# Allegro board rt1064_som_wifi.brd (continued)
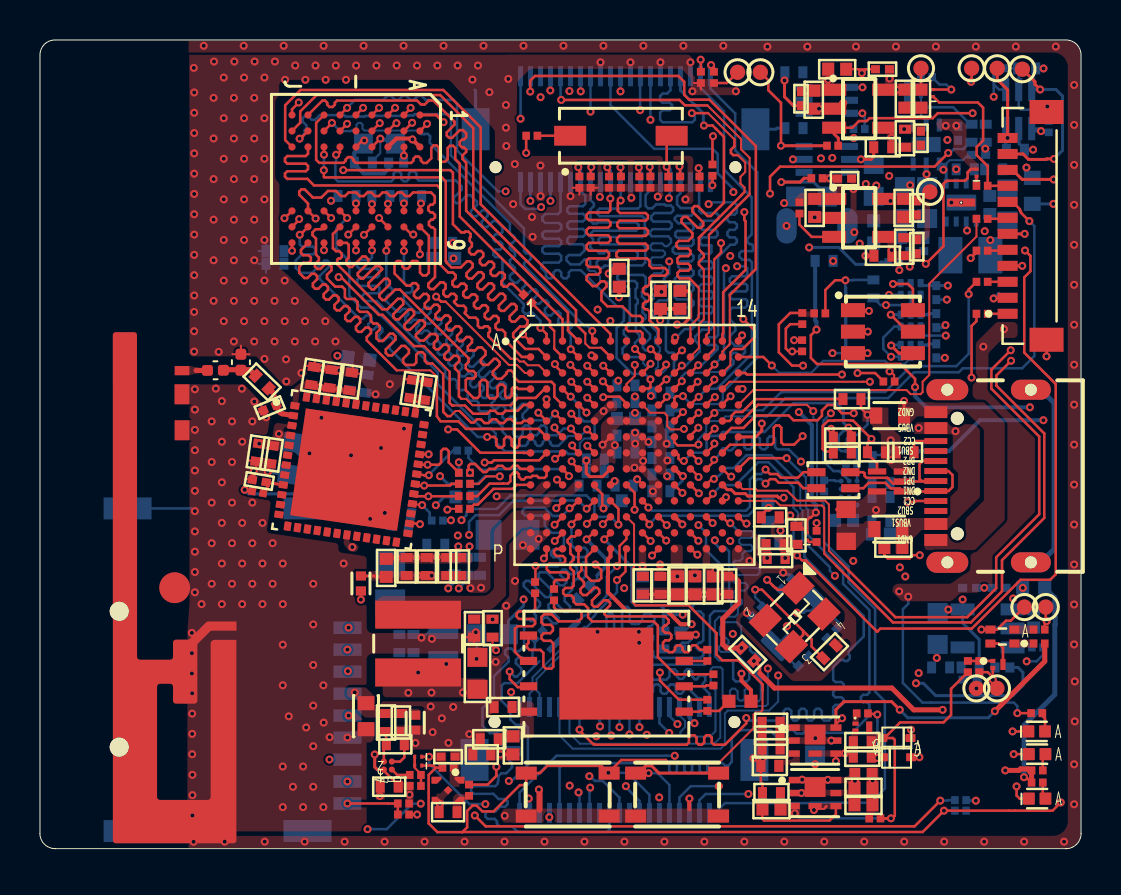
[diagram p0: board, top side]
## Routing (per net, layer and track width the routed paths; a pad name or vN(x,y) marks a point on that pad's centre or on a via; arc(x,y) is an arc through that point) (continued)
GPIO_SD_B1_04: length 40.7
  TOP w0.127: U3.P2 25.35,14.66 v1(25.22,14.52)
  SIG1 w0.127: v1(25.22,14.52) 25.31,14.44 25.31,14.21 25.43,14.08 26.14,14.08 26.26,13.96 26.26,13.73 26.15,13.62 24.95,13.62 24.84,13.51 24.84,13.35 24.9,13.29 24.9,13.28 24.95,13.23 26.2,13.23 26.31,13.12 26.31,12.96 26.2,12.85 24.95,12.85 24.84,12.74 24.84,12.58 24.95,12.47 26.2,12.47 26.31,12.36 26.31,12.2 26.2,12.09 24.95,12.09 24.84,11.97 24.84,11.82 24.95,11.71 26.2,11.71 26.31,11.59 26.31,11.44 26.2,11.32 24.95,11.32 24.84,11.21 24.84,11.05 24.95,10.94 26.2,10.94 26.31,10.83 26.31,10.67 26.2,10.56 24.95,10.56 24.84,10.45 24.84,10.29 24.95,10.18 26.2,10.18 26.31,10.07 26.31,9.91 26.2,9.8 24.95,9.8 24.84,9.69 24.84,9.53 24.95,9.42 26.2,9.42 26.31,9.31 26.31,9.15 26.2,9.04 24.95,9.04 24.84,8.93 24.84,8.8 24.95,8.69 26.17,8.69 26.29,8.56 26.29,7.52 26.15,7.37 24.98,7.37 24.75,7.15 24.75,6.87 24.88,6.74 25.33,6.74 25.44,6.63 25.44,6.48 25.33,6.36 24.88,6.36 24.77,6.25 24.77,6.09 24.88,5.98 25.33,5.98 25.44,5.87 25.44,5.71 25.33,5.6 24.88,5.6 24.77,5.49 24.77,5.28 24.86,5.19 25.27,5.19 25.39,5.06 25.39,4.53 25.27,4.4 25.04,4.4 25.04,4.4 24.87,4.4 24.75,4.28 24.75,4 24.87,3.87 27.03,3.87 27.27,3.63 v1(27.49,3.63)
  BOTTOM w0.127: 28.99,1.79 28.99,2.56 28.16,3.39 27.77,3.39 27.53,3.63 v1(27.49,3.63)
  BOTTOM w0.15: J6.22 28.99,1.79
GPIO_SD_B1_05: length 40.1
  TOP w0.127: U3.N3 26.15,15.79 v1(25.76,15.4)
  SIG1 w0.127: v1(29.32,3.13) 28.83,3.13 28.65,2.94 28.11,2.94 27.98,3.07 27.98,3.29 28.09,3.41 28.68,3.41 29.09,3.82 29.09,4.07 28.93,4.23 26.06,4.23 25.91,4.38 25.81,4.38 25.7,4.49 25.7,4.64 25.81,4.76 25.91,4.76 26.02,4.87 26.02,5.03 25.91,5.14 25.81,5.14 25.7,5.25 25.7,5.41 25.81,5.52 25.91,5.52 26.02,5.63 26.02,5.79 25.91,5.9 25.81,5.9 25.7,6.01 25.7,6.17 25.81,6.28 26.08,6.28 26.17,6.37 26.17,6.53 25.99,6.7 25.99,6.86 26.11,6.97 26.26,6.97 26.4,6.83 26.56,6.83 26.84,7.11 27.1,7.36 27.1,7.52 26.98,7.63 26.76,7.63 26.65,7.74 26.65,7.98 26.76,8.09 27.41,8.09 27.52,8.21 27.52,8.36 27.41,8.48 26.71,8.48 26.59,8.59 26.59,8.74 26.71,8.86 27.41,8.86 27.52,8.97 27.52,9.13 27.41,9.24 26.71,9.24 26.59,9.35 26.59,9.51 26.71,9.62 27.41,9.62 27.52,9.73 27.52,9.89 27.41,10 26.71,10 26.59,10.11 26.59,10.27 26.71,10.38 27.41,10.38 27.52,10.49 27.52,10.65 27.41,10.76 26.71,10.76 26.59,10.87 26.59,11.03 26.71,11.14 27.41,11.14 27.52,11.25 27.52,11.41 27.41,11.52 26.71,11.52 26.59,11.63 26.59,11.79 26.71,11.9 27.41,11.9 27.52,12.02 27.52,12.17 27.41,12.29 26.71,12.29 26.59,12.4 26.59,12.55 26.71,12.67 27.41,12.67 27.52,12.78 27.52,12.94 27.41,13.05 26.71,13.05 26.59,13.16 26.59,13.32 26.71,13.43 27.41,13.43 27.52,13.54 27.52,13.7 27.41,13.81 26.71,13.81 26.59,13.92 26.59,14.1 26.72,14.23 27.26,14.23 27.39,14.35 27.39,14.53 27.26,14.66 26.66,14.66 26.42,14.42 25.86,14.42 25.7,14.57 25.7,14.79 25.96,15.05 26.69,15.05 26.9,15.26 26.9,15.68 26.76,15.82 26.18,15.82 v1(25.76,15.4)
  BOTTOM w0.127: v1(29.32,3.13) 29.32,3.07 30,2.39 J6.26
I2C1_SCL: length 33.7
  TOP w0.127: v1(32.96,18.6) 32.96,18.62 32.57,19.01 U3.J11
  SIG1 w0.102: v1(32.96,18.6) 33.23,18.88 33.99,18.88 34.49,19.38 35.56,19.38 35.83,19.65 36.76,19.65 38.27,18.13
  SIG1 w0.127: 38.27,18.13 38.27,15.4 39.38,14.29 39.38,11.11 v1(36.94,8.67)
  BOTTOM w0.102: J6.9 26,5.66 26.66,5 34.06,5 34.27,5.21 34.27,6.76 34.42,6.91 36.48,6.91 36.94,7.37 36.94,8.05 36.94,8.05 v1(36.94,8.67)
I2C1_SDA: length 32.5
  TOP w0.127: v1(32.97,17.78) U3.K11
  SIG1 w0.102: v1(32.97,17.78) 33.34,18.15 33.96,18.15 34.24,18.43 34.24,18.77 34.52,19.04 35.77,19.04 36.11,19.38 36.5,19.38 37.94,17.94
  SIG1 w0.127: v1(36.43,9.01) 36.78,9.01 38.97,11.2 38.97,14.16 37.94,15.19 37.94,17.94
  BOTTOM w0.102: J6.11 26.5,5.77 27.02,5.25 33.74,5.25 34.04,5.56 34.04,6.96 34.22,7.14 36.32,7.14 36.43,7.24 v1(36.43,9.01)
JTAG_NTRST: length 29
  TOP w0.127: U3.G10 31.75,20.34 31.91,20.18 32.88,20.18 32.92,20.23 v1(32.95,20.23) ; v1(49.51,31.41) 49.09,31.83 49.09,31.89 49.04,31.94 49.04,32 48.67,32.37 J4.8
  BOTTOM w0.102: 36.3,21.63 34.29,21.63 34.06,21.4 33.53,21.4 33.34,21.21 33.34,20.88 32.95,20.49 32.95,20.46
  BOTTOM w0.127: 36.3,21.63 36.38,21.63 37.3,22.55 42.44,22.55 43.74,23.84 45.98,23.84 46.18,24.04 49.15,24.04 49.76,24.65 49.76,31.16 v1(49.51,31.41)
  BOTTOM w0.15: 32.95,20.46 v1(32.95,20.23)
JTAG_TCK: length 18.3
  TOP w0.127: R112.1 46.47,27.98 v1(46.47,27.75) ; v1(33.75,21.81) U3.F12
  BOTTOM w0.102: 36.18,21.94 33.88,21.94 v1(33.75,21.81)
  BOTTOM w0.127: 36.18,21.94 37.09,22.85 37.17,22.85 37.17,22.85 42.29,22.85 43.58,24.15 45.86,24.15 46.47,24.77 v1(46.47,27.75)
JTAG_TMS: length 19.4
  TOP w0.102: U3.E14 35.7,22.95 43.36,22.95 43.57,22.75 44.07,22.75 44.17,22.85 44.17,23.37 44.5,23.7 44.5,28.27 46.86,30.63 R110.1
LDO_1V8: length 3.7
  BOTTOM w0.15: R29.1 47,10.47 46.17,11.29 U26.5
  BOTTOM w0.254: v1(46.86,8.02) 46.9,8.06 C21.1
  vias: v1(45.45,11.97) v1(46.17,12.47)
MCU_DCDC_IN_3V3: length 2
  TOP w0.102: v1(22.82,9.93) 22.65,10.11 R47.2
  TOP w0.15: L12.2 16.77,13.65 16.82,13.6 C65.1
  vias: v1(18.9,13.67) v1(19.6,13.66) v1(21.54,13.04) v1(22.07,13.06)
MCU_ON/OFF: length 26
  TOP w0.127: v1(28.17,16.24) 28.53,16.61 U3.M6
  TOP w0.15: v1(30.45,3.78) 29.81,3.78 SW1.4 29.94,3.78 30.3,4.14 30.61,4.14 30.97,3.78 SW1.3
  SIG1 w0.127: v1(28.17,16.24) 28.17,16 28.32,15.85 28.39,15.85 28.6,15.63 28.6,15.56 29.42,14.74 29.42,13.68 30.44,12.67 30.44,9.5 27.39,6.46 27.39,5.51 27.7,5.2 28.15,5.2 28.26,5.31 28.39,5.31 28.42,5.27 28.75,5.27 28.79,5.31 30.27,5.31 30.45,5.12 v1(30.45,3.78)
  BOTTOM w0.127: v1(30.45,3.78) 30.91,3.78 31.5,3.19 J6.32
NVCC_EMC: length 1
  TOP w0.127: 27.71,21.32 27.71,21.47
  TOP w0.15: FB4.2 28.93,28.12
  TOP w0.2: FB4.2 28.99,27.61 v1(28.97,27.59)
  BOTTOM w0.2: v1(28.94,23.42) 28.87,23.35 C76.1
  vias: v1(27.91,26.98) v1(28.2,21.9) v1(28.54,26.41)
NVCC_GPIO: length 5.1
  TOP w0.127: v1(32.18,21.85) 31.75,21.43 U3.F10 ; U3.E9 30.97,22.23 31.02,22.23 31.37,22.58 v1(31.37,22.61)
  TOP w0.2: FB5.2 C78.1 31.05,26.46 v1(31.03,26.45) ; v1(32.17,18.64) 32.15,18.64 32.08,18.72 32.06,18.72 31.77,19.01 U3.J10
  BOTTOM w0.147: v1(32.17,18.64) 32.15,18.62 32.15,18.42 31.62,17.89 C80.1
  BOTTOM w0.2: v1(32.18,21.85) 32.12,21.91 32.05,21.91 32.03,21.93 C79.1
NVCC_SD: length 3.9
  TOP w0.127: TP30.1 C249.1
  BOTTOM w0.15: FB6.1 20.22,17.6 v1(19.81,17.19) ; R52.1 20.41,18.25 v1(20.02,18.64) ; R53.1 v1(20.96,19.34)
  vias: v1(42.52,38.54) v1(42.87,37.99) v1(43.25,36.01)
NVCC_SD0: length 3.1
  TOP w0.15: U3.J6 28.16,18.62 27.51,18.62 27.34,18.79 v1(27.34,19.43)
  BOTTOM w0.15: 27.04,18.17 27.04,18.23 ; 27.34,19.06 v1(27.34,19.43)
  BOTTOM w0.17: v1(27.34,19.43) 27.33,19.42 C124.1
NVCC_SD1: length 2.4
  TOP w0.127: 28.14,17.09 28.14,17.7 28.13,17.7 28.13,17.75 27.75,18.13
  TOP w0.15: v1(36.46,17.06) 36.23,16.82 36.22,16.82 36.07,16.67 36.07,16.63 36.09,16.61 C85.1 ; 28.14,17.09 v1(28.2,17.03)
  TOP w0.2: U3.K5 27.75,18.13
  BOTTOM w0.127: C84.1 28.21,17.04 v1(28.2,17.03)
OTG1_DN: length 7
  TOP w0.127: J2.7 45.46,18.9 45.66,18.7 45.66,18.1 45.46,17.9 J2.5 44.81,17.88 U19.1 43.04,18.03 42.58,18.03 42.3,18.31 41.47,18.31 41.2,18.04 L6.1
OTG1_DP: length 7.2
  TOP w0.127: J2.8 44.18,19.4 44.01,19.23 44.01,18.51 44.12,18.4 J2.6 44.81,18.38 U19.2 43.18,18.28 42.69,18.28 42.41,18.56 41.36,18.56 41.27,18.66 41.27,18.78 41.2,18.84 L6.4
OVR_V_FLAG: length 17
  TOP w0.127: v1(42.58,1.52) 42.06,1.52 R10.1 42.65,1.51 42.78,1.64 42.78,5.45 42.69,5.54 42.26,5.54 ; 42.26,5.54 43.04,6.32 45.21,6.32 45.59,6.7 45.59,8 46.43,8.83 R12.1 ; 42.26,5.54 D1.A
  BOTTOM w0.127: v1(42.58,1.52) 38.67,1.52 38.66,1.52 38.13,1.52 38.02,1.52 v1(37.77,1.77)
PMIC_ON_REQ: length 118.4
  TOP w0.127: 29.36,18.22 29.35,18.21 U3.K7 29.37,18.21 29.75,17.82 v1(29.75,16.96)
  SIG1 w0.102: 22.15,16.56 22.91,15.8 22.91,12.68 22.23,12.01 22.23,10.59 21.48,9.84 21.48,9.29 21.87,8.9 21.87,2.08 22.17,1.78 22.17,1.48 21.98,1.29 20.02,1.29 v1(19.06,2.25)
  SIG1 w0.127: v1(16.39,0.97) 11.93,0.97 11.7,1.2 11.7,12.61 12.04,12.95 12.04,13.59 11.66,13.97 11.66,14.48 12.05,14.88 12.05,15.64 11.83,15.86 11.83,20.21 11.45,20.59 11.45,21.01 11.93,21.49 11.93,24.82 12.24,25.13 12.24,25.71 11.77,26.19 11.77,26.73 12.19,27.16 12.19,27.66 11.75,28.1 11.75,38.76 12.62,39.63 27.08,39.63 27.9,38.81 34.93,38.81 35.99,37.75 35.99,34.09 36.26,33.82 37.85,33.82 38.1,33.56 38.1,30.47 v1(38.49,30.09) ; 22.15,16.56 22.15,17.58 22.64,18.07 23.25,18.07 24.01,18.83 25.97,18.83 26.15,19.01 26.62,19.01 26.93,18.71 26.93,17.83 27.06,17.71 29.01,17.71 v1(29.75,16.96)
  BOTTOM w0.127: v1(19.06,2.25) 18.63,2.25 17.35,0.97 v1(16.39,0.97)
  BOTTOM w0.15: R21.2 42.08,29.35 41.96,29.24 40.82,29.24 39.97,30.09 v1(38.49,30.09)
POR_B: length 120
  TOP w0.102: 33.97,4.29 35.71,6.03 35.71,6.71 35.81,6.81 36.03,6.81 36.15,6.93 36.16,7.93 ; 29.81,12.18 29.66,12.32 29.66,14.03 29.73,14.09 29.73,16.23 29.35,16.6 U3.M7
  TOP w0.127: 21.14,0.83 44.17,0.83 v1(45.24,1.9) 48.5,1.9 48.5,1.9 48.81,1.9 48.81,1.9 50.67,1.9 v1(51.08,2.31) ; 21.14,0.83 21.13,0.82 19.89,0.82 19.45,1.27 19.45,3.69 19.81,4.05 ; 21.14,0.83 21.38,1.07 21.38,1.89 21.65,2.16 21.84,2.16 22.14,1.86 22.7,1.86 24.02,3.18 24.22,3.18 24.33,3.29 SW2.4 25.02,3.78 25.38,4.14 28.1,4.14 v1(28.45,3.8) 29.09,4.44 31.32,4.44 31.47,4.29 31.61,4.29 31.61,4.28 31.92,4.28 31.92,4.29 33.27,4.29 33.27,4.29 33.97,4.29 ; 36.16,7.93 36.16,8.22 34.95,9.43 34.14,9.43 33.86,9.71 33.86,10.78 32.46,12.18 29.81,12.18 ; R44.2 19.81,4.05 ; 19.81,4.05 19.78,4.05 19.68,4.16 D10.C ; D13.A v1(45.6,37.99)
  SIG1 w0.127: v1(45.6,37.99) 45.6,38.77 46.25,39.41 50.8,39.41 51.11,39.1 51.11,2.69 51.08,2.67 v1(51.08,2.31)
  BOTTOM w0.127: R43.2 v1(45.24,1.9) ; v1(28.45,3.8) 29.4,3.8 30.5,2.7 J6.28 ; R25.1 44.65,38.61 45.01,38.24 45.35,38.24 v1(45.6,37.99)
RESET: length 10.8
  SIG1 w0.127: v1(45.21,33.98) 45.21,33.12 44.37,32.28 44.37,30.67 43,29.31 v1(43,28.95)
  BOTTOM w0.102: v1(45.21,33.98) 45.21,34.12 45.33,34.24 ; C16.1 46.45,34.72 46.18,34.46 45.53,34.46 45.33,34.26 45.21,34.26
  BOTTOM w0.127: R21.1 43,29.72 43,30.03 43.07,30.09 R18.2 ; 45.21,34.26 U2.1
  BOTTOM w0.15: 45.35,33.98 45.35,33.97 U1.1 ; 45.35,33.98 45.33,33.99 45.33,34.26 ; 45.35,33.98 v1(45.21,33.98) ; v1(43,28.95) R21.1
SD1_CLK: length 24
  TOP w0.127: U27.31 19.26,18.68 19.43,18.68 19.44,18.69 v1(19.46,18.69)
  SIG1 w0.127: v1(19.46,18.69) 19.1,18.69 19.06,18.74 16.5,18.74 13.25,15.49 13.25,12.39 13.36,12.28 13.53,12.28 13.64,12.17 13.64,12.01 13.53,11.9 13.36,11.9 13.25,11.79 13.25,10.22 13.38,10.09 13.94,10.09 14.05,9.98 14.05,9.82 13.94,9.71 13.38,9.71 13.25,9.58 13.25,8.77 13.36,8.65 13.59,8.65 13.7,8.54 13.7,8.38 13.52,8.2 13.52,8.04 14.11,7.45 14.37,7.45 14.89,7.97 15.05,7.97 15.16,7.86 15.16,7.7 14.64,7.18 14.64,7 14.98,6.66 v1(15.45,6.66)
  BOTTOM w0.127: v1(19.46,18.69) 19.46,18.71 20.67,19.92 20.88,19.92
SD1_CMD: length 21.9
  TOP w0.102: 18.92,18.17 18.85,18.18 U27.30
  TOP w0.127: 18.92,18.17 19.22,18.17 v1(19.23,18.17) 20.51,18.17 20.6,18.26 R544.2
  SIG1 w0.127: v1(19.23,18.17) 18.42,18.17 18.2,18.39 18.02,18.39 17.82,18.2 17.64,18.2 17.44,18.39 17.26,18.39 17.06,18.2 16.88,18.2 16.72,18.35 16.54,18.35 16.11,17.92 16.11,17.76 16.21,17.66 16.21,17.5 16.1,17.39 15.94,17.39 15.84,17.49 15.68,17.49 13.96,15.77 13.96,15.35 14.49,14.83 14.49,14.63 14.38,14.51 14.2,14.51 14.08,14.4 14.08,14.24 14.2,14.13 14.38,14.13 14.49,14.02 14.49,13.86 14.38,13.75 14.2,13.75 14.08,13.64 14.08,13.48 14.2,13.37 14.38,13.37 14.49,13.26 14.49,13.1 14.38,12.99 14.2,12.99 14.08,12.88 14.08,12.72 14.2,12.61 14.38,12.61 14.49,12.5 14.49,12.34 14.38,12.23 14.2,12.23 14.08,12.12 14.08,11.96 14.2,11.85 14.38,11.85 14.49,11.74 14.49,11.58 14.38,11.47 14.2,11.47 14.08,11.35 14.08,11.2 14.2,11.08 14.38,11.08 14.49,10.97 14.49,10.82 14.38,10.7 14.2,10.7 14.08,10.59 14.08,10.43 14.2,10.32 14.32,10.32 14.73,9.92 14.73,9.74 14.19,9.2 14.19,9.04 14.3,8.93 14.45,8.93 15,9.47 15.18,9.47 15.41,9.24 v1(15.41,8.88)
  BOTTOM w0.127: J1.3 v1(15.41,8.88)
SD1_D0: length 25.1
  TOP w0.102: 18.9,19.26 U27.32
  TOP w0.127: U27.32 18.93,19.23 18.99,19.23 19.01,19.21 v1(19.4,19.21) 19.96,19.21 20.07,19.32 20.07,19.9 20.18,20.01 20.34,20.01 20.45,19.9 20.45,19.32 20.96,18.82 R542.2
  SIG1 w0.127: v1(14.49,4.46) 13.41,4.46 12.87,5 12.87,6.2 13.04,6.38 13.04,6.87 12.87,7.05 12.87,15.59 16.49,19.21 v1(19.4,19.21)
  BOTTOM w0.127: J1.7 v1(14.49,4.46)
SD1_D1: length 21.8
  TOP w0.102: R541.2 20.43,17.01 v1(20.39,16.97)
  TOP w0.127: 18.95,19.79 U27.33 19.45,19.73 v1(19.45,19.74)
  SIG1 w0.127: v1(15.39,3.36) 15.39,4.1 16.57,5.29 16.57,5.45 16.4,5.62 16.4,5.77 16.52,5.89 16.67,5.89 16.84,5.72 17,5.72 17.11,5.83 17.11,5.98 16.94,6.16 16.94,6.31 17.05,6.43 17.21,6.43 17.38,6.25 17.54,6.25 18.05,6.76 18.05,12.58 18.53,13.06 18.53,13.83 18.75,14.04 19.01,14.04 19.37,14.4 19.37,15.95 v1(20.39,16.97) 20.39,19.48 20.13,19.74 v1(19.45,19.74)
SD1_D2: length 21.2
  TOP w0.102: U27.28 19.08,17.2
  TOP w0.127: 19.08,17.2 v1(19.12,17.2)
  SIG1 w0.127: v1(19.12,17.2) 18.46,17.2 18.33,17.07 18.33,16.89 18.65,16.57 18.65,16.32 18.58,16.25 18.43,16.25 18.09,16.59 17.93,16.59 17.82,16.48 17.82,16.32 18.48,15.66 18.48,15.5 18.37,15.39 18.21,15.39 17.55,16.05 17.39,16.05 17.28,15.94 17.28,15.71 17.79,15.2 17.79,15.05 17.68,14.93 17.52,14.93 16.98,15.48 16.8,15.48 16.43,15.11 16.43,14.93 16.54,14.82 16.93,14.82 17.04,14.71 17.04,14.55 16.93,14.44 16.54,14.44 16.43,14.33 16.43,14.17 16.54,14.06 17.41,14.06 17.53,13.95 17.53,13.79 17.41,13.68 16.54,13.68 16.43,13.57 16.43,13.41 16.54,13.3 16.93,13.3 17.44,13.3 17.56,13.18 17.56,13.03 17.44,12.91 16.54,12.91 16.43,12.8 16.43,12.65 16.54,12.53 16.93,12.53 17.04,12.42 17.04,12.26 16.93,12.15 16.54,12.15 16.35,11.97 16.35,11.79 16.6,11.54 16.6,11.39 16.49,11.28 16.33,11.28 16.08,11.52 15.91,11.52 v1(15.44,11.06)
  BOTTOM w0.127: 15.39,11.06 v1(15.44,11.06) ; R540.2 19.6,16.46 19.5,16.56 19.5,16.81 v1(19.12,17.2)
SD1_D3: length 22.6
  TOP w0.127: U27.29 18.83,17.64 v1(19.44,17.64) 20.6,17.64 20.6,17.64 R539.2
  SIG1 w0.127: v1(15.39,9.96) 14.8,10.54 14.8,10.77 15.02,10.99 15.02,11.15 14.8,11.37 14.8,11.5 14.91,11.61 15.35,11.61 15.46,11.72 15.46,11.88 15.35,11.99 14.91,11.99 14.8,12.11 14.8,12.26 14.91,12.38 15.35,12.38 15.46,12.49 15.46,12.64 15.35,12.76 14.91,12.76 14.8,12.87 14.8,13.03 14.91,13.14 15.35,13.14 15.46,13.25 15.46,13.41 15.35,13.52 14.91,13.52 14.8,13.63 14.8,14.94 14.42,15.33 14.42,15.53 14.53,15.64 14.68,15.64 15.06,15.27 15.24,15.27 15.37,15.39 15.37,15.57 14.91,16.03 14.91,16.21 15.05,16.35 15.23,16.35 16.03,15.55 16.21,15.55 16.34,15.68 16.34,15.95 15.67,16.62 15.67,16.8 15.9,17.03 16.18,17.03 16.25,16.95 16.45,16.95 16.57,17.08 16.57,17.52 16.73,17.68 17.48,17.68 17.6,17.55 17.6,17.25 17.71,17.14 17.89,17.14 18.06,17.3 18.06,17.75 18.18,17.87 18.63,17.87 18.87,17.64 v1(19.44,17.64)
SD_CD_SW: length 63.8
  TOP w0.102: v1(41.53,23.37) 41.19,23.37 41.19,23.37 34.51,23.37 U3.D13
  TOP w0.127: R78.2 v1(18.87,1.71)
  SIG1 w0.102: 40.29,1.23 40.13,1.07 19.51,1.07
  SIG1 w0.11: v1(18.87,1.71) 19.51,1.07
  SIG1 w0.127: 40.29,1.23 41.07,2.01 44.28,2.01 44.45,2.18 44.45,13.67 43.6,14.51 43.6,15.07 44.6,16.07 44.6,19.09 47.23,21.72 47.23,23.73 46.84,24.12 43.54,24.12 42.79,23.37 v1(41.53,23.37)
SD_PWREN: length 31.5
  TOP w0.127: D9.C v1(19.47,4.6)
  TOP w0.15: U3.M12 v1(33.66,16.3)
  SIG1 w0.102: 23.41,16.63 23.41,12.63 23.7,12.35 23.7,12.01 23.15,11.46 23.15,10.92 22.28,10.06 22.28,6.15 22.29,6.14 22.29,6.04
  SIG1 w0.127: 23.41,16.63 24.22,17.43 28.61,17.43 29.56,16.48 29.56,16.2 29.94,15.83 33.19,15.83 v1(33.66,16.3) ; v1(22.29,2.23) 22.29,6.04
  BOTTOM w0.127: v1(22.29,2.23) 21.49,2.23 19.47,4.25 v1(19.47,4.6)
SD_VDD: length 0.4
  BOTTOM w0.127: 15.39,7.76 15.69,7.76 v1(15.75,7.82)
SDRAM_3V3: length 7.7
  TOP w0.127: U9.B3 v1(18.21,34.69) ; v1(17.03,35.53) U9.D3 ; U9.A7 19.01,32.28 19.03,32.29 v1(19.07,32.29) ; U9.A9 v1(19.01,29.75) ; U9.E7 v1(15.81,32.3) ; U9.C7 v1(17.41,32.28)
  TOP w0.15: U9.J9 v1(12.61,29.92)
  BOTTOM w0.102: 18.2,34.72 18.21,34.7 v1(18.21,34.69) ; v1(15.81,32.3) 15.81,32.36 15.82,32.36 C89.1 ; v1(19.07,32.29) 19.07,32.33 19.1,32.36 C93.1 ; C90.1 16.63,34.41 17.03,34.81 17.03,35.48 ; v1(17.41,32.28) 17.51,32.37 C92.1
  BOTTOM w0.2: C87.1 18.2,34.88 C86.1 17.59,35.48 17.03,35.48 ; 17.41,32.16 v1(17.41,32.28)
SEMC_A0: length 24.8
  TOP w0.102: 23.56,24.52 23.87,24.52 24.01,24.38 24.21,24.38 24.21,24.38 24.22,24.38 24.41,24.19 24.96,24.19 U3.C2
  TOP w0.127: v1(13.79,31.54) U9.H7 13.41,32.29 12.97,32.73 12.97,32.89 13.08,33 13.24,33 13.65,32.59 14.08,32.59 14.41,32.91 14.81,32.91 15.06,32.66 15.26,32.66 15.44,32.84 15.82,32.84 16,32.66 16.2,32.66 16.38,32.84 16.59,32.84 16.76,32.66 16.97,32.66 17.15,32.84 17.35,32.84 17.53,32.66 17.73,32.66 17.91,32.84 18.11,32.84 18.29,32.66 18.49,32.66 18.67,32.84 19.57,32.84 19.76,32.65 19.76,32.34 19.64,32.23 19.54,32.23 19.43,32.12 19.43,31.96 19.54,31.85 19.64,31.85 19.77,31.72 19.77,31.59 19.66,31.48 19.58,31.48 19.47,31.37 19.47,31.21 19.58,31.1 19.66,31.1 19.77,30.99 19.77,28.61 19.43,28.28 19.43,28.12 19.54,28.01 19.7,28.01 20.04,28.34 20.19,28.34 20.3,28.24 20.3,28.04 20.19,27.93 20.19,27.75 20.32,27.63 20.43,27.63 20.57,27.77 20.72,27.77 20.84,27.66 20.84,27.5 20.72,27.38 20.72,27.35 20.91,27.17 21.21,27.17 21.32,27.06 21.32,26.9 21.26,26.85 21.26,26.79 21.49,26.57 21.8,26.57 21.91,26.46 21.91,26.17 22.01,26.07 22.17,26.07 22.24,26.15 22.4,26.15 22.51,26.03 22.51,25.88 22.44,25.8 22.44,25.64 23.56,24.52
SEMC_A1: length 24.1
  TOP w0.127: v1(13,30.72) 13.02,30.72 U9.H8 ; U3.G1 24.1,20.61 23.99,20.5 23.99,20.19 23.87,20.07 23.72,20.07 23.6,20.19 23.6,20.5 23.49,20.61 23.33,20.61 23.22,20.5 23.22,20.19 23.11,20.07 22.95,20.07 22.84,20.19 22.84,20.5 22.73,20.61 v1(22.38,20.61)
  BOTTOM w0.127: v1(22.38,20.61) 21.9,20.61 17.5,25.01 17.5,25.17 17.67,25.33 17.67,25.49 17.55,25.6 17.4,25.6 17.23,25.44 17.07,25.44 16.96,25.55 16.96,25.71 17.13,25.87 17.13,26.03 17.02,26.14 16.86,26.14 16.69,25.98 16.54,25.98 16.42,26.09 16.42,26.24 16.59,26.41 16.59,26.57 16.48,26.68 16.32,26.68 16.15,26.51 16,26.51 14,28.51 14,28.67 14.5,29.16 14.5,29.32 14.38,29.43 14.23,29.43 13.62,28.82 13.05,28.82 12.8,29.06 12.8,29.44 13.11,29.75 13.66,29.75 13.77,29.86 13.77,30.02 13.66,30.13 13.11,30.13 13,30.24 v1(13,30.72)
SEMC_A2: length 24.6
  TOP w0.127: U9.J8 12.97,31.48 v1(12.97,31.51) ; U3.G3 25.84,20.92 25.84,20.99 v1(25.75,21.08)
  SIG1 w0.127: v1(12.97,31.51) 13.32,31.16 15.74,31.16 15.85,31.27 15.85,31.6 15.96,31.71 16.12,31.71 16.23,31.6 16.23,31.27 16.34,31.16 16.9,31.16 17.78,30.28 17.78,29.53 17.89,29.42 18.08,29.42 18.19,29.3 18.19,29.15 18.08,29.03 17.89,29.03 17.78,28.92 17.78,28.77 17.89,28.65 18.08,28.65 18.19,28.54 18.19,28.38 18.08,28.27 17.89,28.27 17.78,28.16 17.78,27.32 17.87,27.23 18.03,27.23 18.21,27.41 18.36,27.41 18.47,27.3 18.47,27.14 18.3,26.96 18.3,26.8 22.94,22.16 23.22,22.16 23.41,22.35 23.57,22.35 23.68,22.24 23.68,22.08 23.49,21.89 23.49,21.74 23.6,21.62 23.76,21.62 23.95,21.81 24.11,21.81 24.22,21.7 24.22,21.54 24.03,21.36 24.03,21.2 24.15,21.08 24.29,21.08 24.4,21.19 24.4,21.34 24.52,21.45 24.67,21.45 24.78,21.34 24.78,21.19 24.9,21.08 v1(25.75,21.08)
SEMC_A3: length 24.6
  TOP w0.127: v1(20.43,20.98) 20.87,20.98 22.04,19.81 24.19,19.81 24.2,19.81 U3.H1 ; v1(12.24,31.55) 12.25,31.55 ; 12.25,31.55 12.23,31.53 ; 12.25,31.55 U9.J7
  SIG1 w0.127: v1(20.43,20.98) 19.28,20.98 17.38,22.88 17.36,22.88 17.14,23.09 17.14,23.12 16.77,23.49 16.77,23.65 17.02,23.9 17.02,24.06 16.91,24.17 16.75,24.17 16.5,23.92 16.34,23.92 15.15,25.11 15.15,26.13 14.65,26.63 14.65,26.79 15.04,27.18 15.04,27.33 14.93,27.45 14.77,27.45 14.38,27.06 14.23,27.06 14.12,27.17 14.12,27.33 14.5,27.71 14.5,27.87 14.39,27.98 14.23,27.98 13.85,27.6 13.69,27.6 13.12,28.17 13.12,28.79 13.01,28.9 12.42,28.9 12.31,29.01 12.31,29.17 12.42,29.28 13.01,29.28 13.12,29.4 13.12,30.01 12.24,30.89 v1(12.24,31.55)
SEMC_A4: length 26.5
  TOP w0.127: U9.J3 12.27,35.46 12.27,37.21 13.03,37.97 20.18,37.97 22.05,36.1 22.05,32.25 28.55,25.76 U3.A6
SEMC_A5: length 25.5
  TOP w0.102: 27.29,25.76 27.29,25.28 27.5,25.07 28.09,25.07
  TOP w0.127: U9.J2 13.02,36.33 13.02,36.9 13.84,37.72 20.03,37.72 21.68,36.06 21.68,32.09 26.82,26.95 26.82,26.25 27.29,25.78 27.29,25.76 ; U3.B6 28.09,25.07
SEMC_A6: length 26.1
  TOP w0.127: U9.H3 13.41,34.78 13.3,34.66 12.37,34.66 12.26,34.55 12.26,34.39 12.37,34.28 13.3,34.28 13.41,34.17 13.41,34.01 13.3,33.9 12.37,33.9 12.26,33.79 12.26,33.63 12.37,33.52 13.38,33.52 13.71,33.19 19.88,33.19 20.04,33.03 20.04,29.22 20.42,28.84 20.67,28.84 20.8,28.71 20.8,28.55 20.64,28.39 20.64,28.23 20.75,28.12 20.91,28.12 21.07,28.28 21.23,28.28 21.34,28.17 21.34,28.01 21.18,27.85 21.18,27.69 21.29,27.58 21.45,27.58 21.61,27.74 21.77,27.74 21.88,27.63 21.88,27.47 21.72,27.31 21.72,27.15 21.83,27.04 21.99,27.04 22.15,27.2 22.3,27.2 22.42,27.09 22.42,26.93 22.26,26.77 22.26,26.61 22.37,26.5 22.53,26.5 22.69,26.66 22.84,26.66 22.96,26.55 22.96,26.39 22.8,26.23 22.8,26.08 22.91,25.96 23.14,25.96 23.28,25.82 23.28,25.45 24.12,24.61 24.31,24.61 24.31,24.61 U3.B1
SEMC_A7: length 24.3
  TOP w0.127: v1(12.99,35.53) 13.03,35.53 U9.H2 ; v1(27.64,25.91) 27.64,25.53 27.75,25.42 U3.A5
  BOTTOM w0.127: v1(27.64,25.91) 27.39,26.16 27.24,26.16 24.23,29.17 24.23,29.3 24.33,29.41 24.45,29.41 24.56,29.52 24.56,29.68 24.45,29.79 24.33,29.79 24.22,29.9 24.22,31.04 20.56,34.7 20.56,36.63 20.43,36.76 18.75,36.76 18.68,36.69 18.47,36.69 18.45,36.68 16.85,36.68 16.29,36.67 16.25,36.64 15.29,36.64 15.22,36.71 14,36.71 13.76,36.47 13.6,36.47 13.41,36.67 13.25,36.67 13.14,36.55 13.14,36.4 13.33,36.2 13.33,36.05 13.24,35.96 13.24,35.78 v1(12.99,35.53)
SEMC_A8: length 24
  TOP w0.127: U9.H1 14.14,37.44 14.26,37.44 14.37,37.33 14.37,37.23 14.49,37.12 14.64,37.12 14.76,37.23 14.76,37.33 14.87,37.44 18.87,37.44 19.07,37.24 19.25,37.24 19.45,37.44 19.69,37.44 20.74,36.39 20.74,36.23 20.36,35.85 20.36,35.69 20.47,35.58 20.63,35.58 21.01,35.96 21.17,35.96 21.33,35.8 21.33,35.6 21.21,35.48 21.12,35.48 21.01,35.37 21.01,35.21 21.12,35.1 21.21,35.1 21.33,34.98 21.33,34.87 21.15,34.7 21.14,34.7 21.14,34.52 21.33,34.33 21.33,31.93 26.42,26.83 26.42,25.93 U3.A4
SEMC_A9: length 26
  TOP w0.127: U3.B2 24.95,25.01 24.28,25.01 23.68,25.61 23.68,25.79 24.01,26.13 24.27,26.13 24.39,26.26 24.39,26.44 24.19,26.64 24.03,26.64 23.77,26.38 23.61,26.38 23.5,26.49 23.5,26.65 23.85,26.99 23.85,27.15 23.74,27.26 23.58,27.26 23.23,26.92 23.07,26.92 22.96,27.03 22.96,27.18 23.28,27.5 23.28,27.66 23.17,27.77 23.01,27.77 22.69,27.45 22.54,27.45 22.42,27.57 22.42,27.72 22.72,28.02 22.72,28.18 22.61,28.29 22.45,28.29 22.15,27.99 22,27.99 21.88,28.11 21.88,28.26 22.2,28.58 22.2,28.74 22.09,28.85 21.93,28.85 21.62,28.53 21.46,28.53 21.35,28.64 21.35,28.8 21.65,29.11 21.65,29.27 21.53,29.39 21.37,29.39 21.06,29.09 20.59,29.09 20.34,29.34 20.34,29.38 20.3,29.42 20.3,33.4 20.11,33.59 14.24,33.59 14.2,33.63 v1(14.2,33.95) ; U9.G3 v1(14.21,34.73)
  BOTTOM w0.127: v1(14.2,33.95) 14.2,34.31 14.21,34.32 v1(14.21,34.73)
SEMC_A10: length 24.1
  TOP w0.102: 19.86,23.62 19.54,23.94 17.85,23.94
  TOP w0.127: 17.85,23.94 16.35,25.44 16.35,25.6 16.56,25.81 16.56,25.96 16.45,26.08 16.29,26.08 16.08,25.87 15.93,25.87 15.81,25.98 15.81,26.13 16.02,26.35 16.02,26.5 15.91,26.62 15.75,26.62 15.54,26.4 15.39,26.4 15.27,26.52 15.27,26.67 15.49,26.88 15.49,27.04 15.37,27.15 15.22,27.15 15.01,26.94 14.85,26.94 14.74,27.06 14.74,27.21 14.95,27.42 14.95,27.58 14.83,27.69 14.68,27.69 14.47,27.48 14.31,27.48 14.2,27.59 14.2,27.75 14.41,27.96 14.41,28.12 14.3,28.23 14.14,28.23 13.93,28.02 13.77,28.02 13.66,28.13 13.66,28.29 13.87,28.5 13.87,28.66 13.76,28.77 13.6,28.77 13.39,28.56 13.23,28.56 12.97,28.82 12.97,29.12 13.17,29.32 13.44,29.32 13.56,29.43 13.56,29.59 13.44,29.7 13.17,29.7 13.06,29.81 13.06,29.97 U9.H9 ; 19.86,23.62 19.86,21.64 20.05,21.39 20.94,21.39 21.32,21.01 24.95,21.01 25.05,20.91 U3.G2
SEMC_A11: length 24.5
  TOP w0.127: v1(14.61,36.32) 14.61,36.31 U9.G2 ; U3.B4 v1(26.56,24.99)
  BOTTOM w0.102: 18.89,35.94 18.33,35.94 16.23,35.94 16.14,36.03 16.14,36.23 16.06,36.32 15.93,36.32 15.84,36.23 15.84,36.03 15.75,35.94 15.65,35.94
  BOTTOM w0.11: 15.55,35.91 15.58,35.94 15.65,35.94 ; 18.89,35.94 19.08,35.76
  BOTTOM w0.115: 15.02,35.91 15.55,35.91 ; 19.08,35.76 19.23,35.76
  BOTTOM w0.12: v1(14.61,36.32) 15.02,35.91
  BOTTOM w0.127: v1(26.56,24.99) 26.56,25.72 26.47,25.81 26.47,25.97 26.59,26.08 26.59,26.24 26.48,26.35 26.32,26.35 26.2,26.24 26.04,26.24 25.93,26.35 25.93,26.51 26.05,26.62 26.05,26.78 25.94,26.89 25.78,26.89 25.58,26.69 25.4,26.69 25.27,26.81 25.27,27.01 25.44,27.18 25.44,27.34 25.33,27.45 25.17,27.45 24.99,27.27 24.83,27.27 24.72,27.38 24.72,27.54 24.9,27.72 24.9,27.88 24.79,27.99 24.63,27.99 24.45,27.81 24.24,27.81 24.15,27.9 24.15,28.06 24.3,28.21 24.3,28.36 24.18,28.47 24.03,28.47 23.88,28.33 23.72,28.33 23.51,28.53 23.51,28.68 23.63,28.8 23.65,28.8 23.77,28.91 23.77,29.06 23.65,29.18 23.63,29.18 23.51,29.29 23.51,29.45 23.63,29.56 23.65,29.56 23.77,29.67 23.77,29.83 23.65,29.94 23.63,29.94 23.51,30.05 23.51,30.21 23.63,30.32 23.65,30.32 23.77,30.43 23.77,30.59 23.65,30.7 23.63,30.7 23.51,30.81 23.51,31.3 19.74,35.08 19.74,35.1 19.5,35.33 19.5,35.49 19.52,35.5 19.52,35.66 19.41,35.77 19.25,35.77 19.23,35.76